# Altium PCB Core.PcbDoc (part 4 of 5)
Units mil, origin at the board's own origin, x right, y up, seen from the top; angles counter-clockwise.
Board outline 1181.1 x 1574.8 mil, 6 copper layers (Top Layer, GND2, SIG3, PWR4, GND5, Bottom Layer), stack 29.356 mil thick; 139 components, 179 nets, 1165 pads, 477 vias.
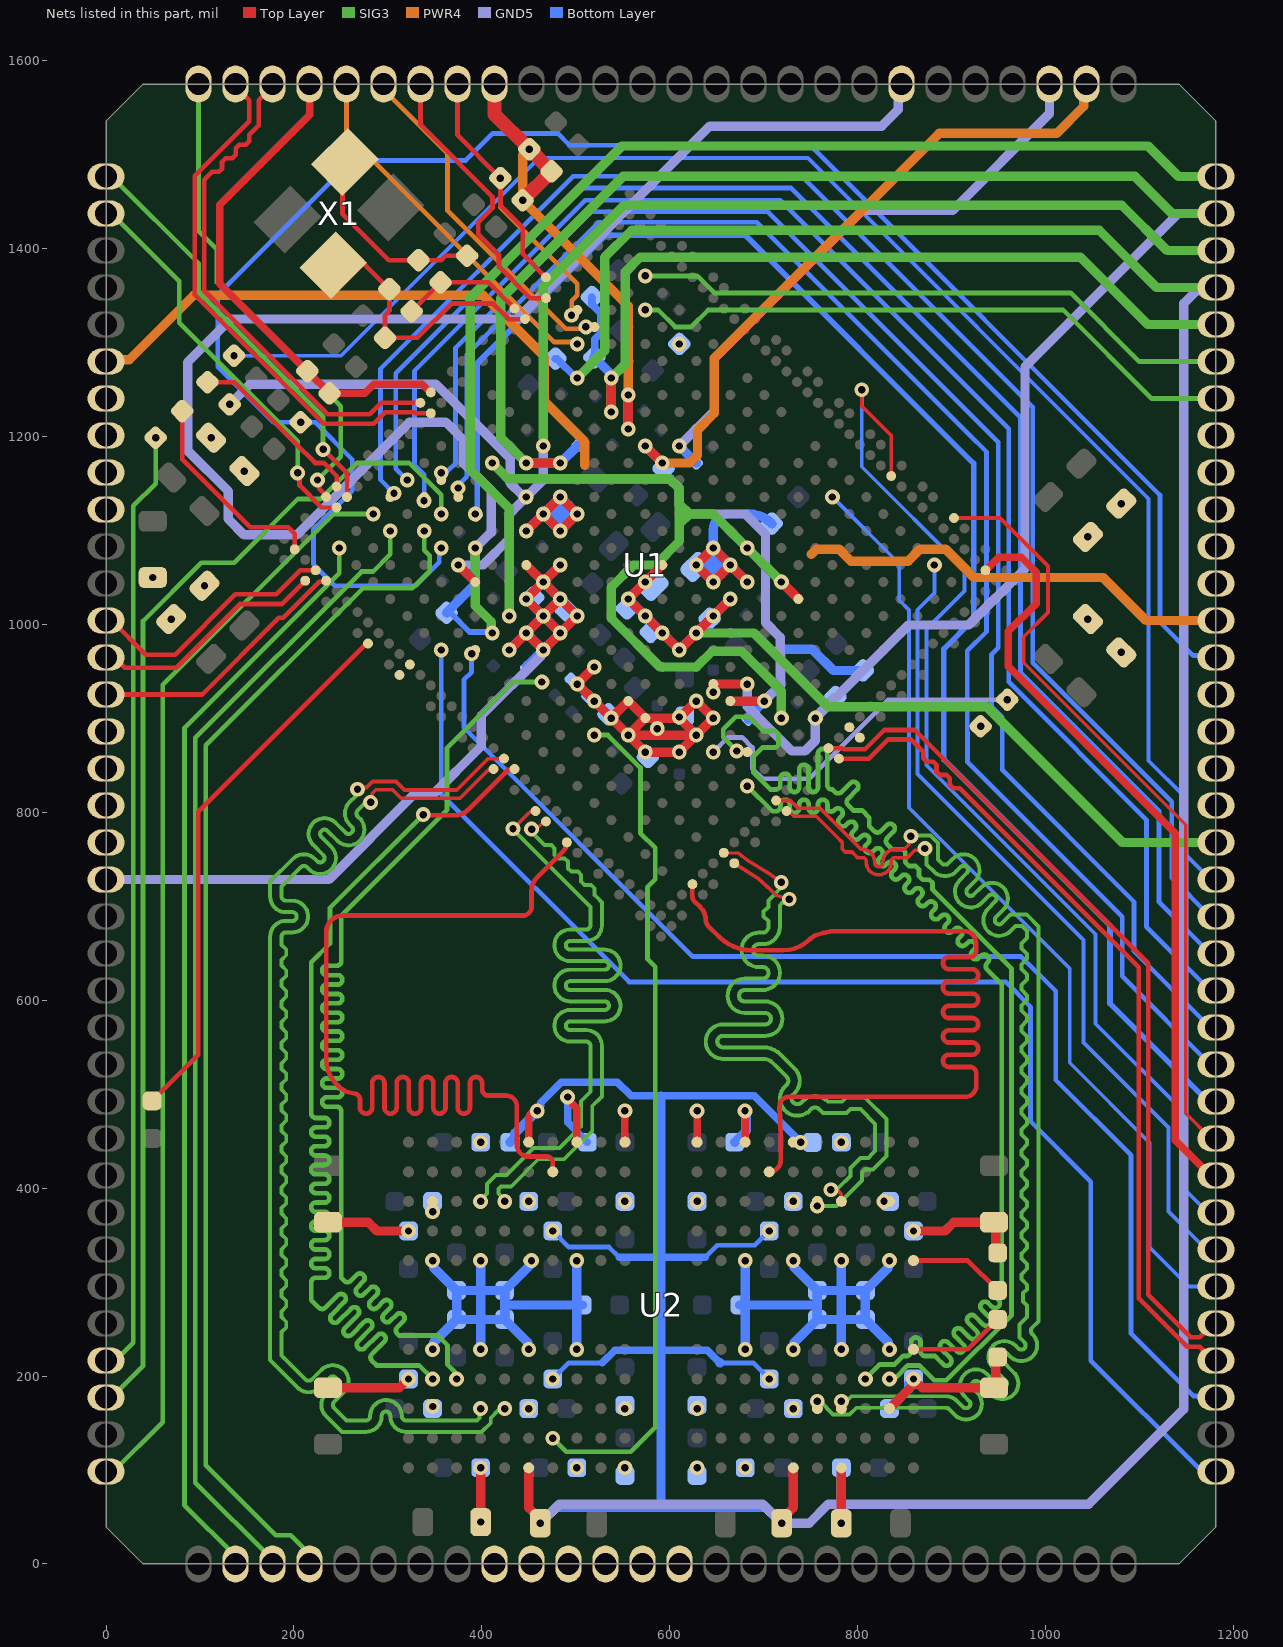
[diagram p8: the nets of this part, all layers, seen from the top]

## Via types
v1: diameter 15.75, hole 7.87, Top Layer to Bottom Layer, tented both sides, 475 vias
v2: diameter 15.75, hole 11.81, Top Layer to Bottom Layer, tented both sides, 2 vias

## Nets (pads, with @x,y where several pads share a name; then routed paths per layer and width w, separated by ;. In a path a pad name is that pad's centre, name@x,y a point inside that pad or via, vN(x,y) a via of type N, cw(c..) or ccw(c..) an arc to the next point about the centre after c; other vN are vias at no path point) (continued)
LPDDR4_DQ14_A: U1.1F1 U2.C9 | length 1318.4
  SIG3 w5: v1(682.42,827.75) 709.2,800.97 712.63,800.97 ccw(c712.63,805.97) 717.63,805.97 717.63,808.32 cw(c722.63,808.32) 727.63,808.32 727.63,804.33 ccw(c732.63,804.33) 737.63,804.33 737.63,808.32 cw(c742.63,808.32) 747.63,808.32 747.63,804.33 ccw(c752.63,804.33) 757.63,804.33 757.63,808.32 cw(c762.63,808.32) 767.63,808.32 767.63,802.42 767.93,802.13 ccw(c771.46,805.66) 775,802.12 775.45,802.57 cw(c778.98,799.04) 782.52,802.57 cw(c778.98,799.04) 782.52,795.5 780.45,793.43 ccw(c783.98,789.9) 780.45,786.36 ccw(c783.98,789.9) 787.52,786.36 789.59,788.43 cw(c793.12,784.9) 796.66,788.43 cw(c793.12,784.9) 796.66,781.36 794.59,779.29 ccw(c798.13,775.76) 794.59,772.22 ccw(c798.13,775.76) 801.66,772.22 803.73,774.29 cw(c807.27,770.75) 810.8,774.29 cw(c807.27,770.75) 810.8,767.22 808.73,765.15 ccw(c812.27,761.62) 808.73,758.08 ccw(c812.27,761.62) 815.8,758.08 817.87,760.15 cw(c821.41,756.61) 824.94,760.15 cw(c821.41,756.61) 824.94,753.08 822.88,751.01 ccw(c826.41,747.47) 822.88,743.94 ccw(c826.41,747.47) 829.95,743.94 832.01,746 cw(c835.55,742.47) 839.09,746 cw(c835.55,742.47) 839.08,738.93 837.02,736.87 ccw(c840.55,733.33) 837.02,729.8 ccw(c840.55,733.33) 844.09,729.8 846.16,731.86 cw(c849.69,728.33) 853.23,731.86 cw(c849.69,728.33) 853.23,724.79 851.16,722.72 ccw(c854.7,719.19) 851.16,715.65 ccw(c854.7,719.19) 858.23,715.65 860.3,717.72 cw(c863.83,714.19) 867.37,717.72 cw(c863.83,714.19) 867.37,710.65 865.3,708.58 ccw(c868.84,705.05) 865.3,701.51 ccw(c868.84,705.05) 872.37,701.51 874.44,703.58 cw(c877.98,700.04) 881.51,703.58 cw(c877.98,700.04) 881.51,696.51 879.44,694.44 ccw(c882.98,690.9) 879.44,687.37 ccw(c882.98,690.9) 886.52,687.37 888.58,689.44 cw(c892.12,685.9) 895.65,689.44 cw(c892.12,685.9) 895.65,682.37 893.59,680.3 ccw(c897.12,676.76) 893.59,673.23 ccw(c897.12,676.76) 900.66,673.23 902.72,675.29 cw(c906.26,671.76) 909.8,675.29 cw(c906.26,671.76) 909.8,668.22 907.73,666.16 ccw(c911.26,662.62) 907.73,659.08 ccw(c911.26,662.62) 914.8,659.08 916.87,661.15 cw(c920.4,657.62) 923.94,661.15 cw(c920.4,657.62) 923.94,654.08 921.87,652.01 ccw(c925.41,648.48) 921.87,644.94 ccw(c925.41,648.48) 928.94,644.94 931.01,647.01 cw(c934.54,643.47) 938.08,647.01 cw(c934.54,643.47) 938.08,639.94 937.63,639.49 ccw(c941.17,635.95) 937.63,632.42 953.19,616.86 953.19,294.38 948.26,289.44 ccw(c951.8,285.91) 948.26,282.37 949.66,280.97 cw(c946.12,277.44) 949.66,273.9 cw(c946.12,277.44) 942.59,273.9 938.82,277.67 ccw(c935.28,274.14) 931.75,277.67 ccw(c935.28,274.14) 931.75,270.6 940.54,261.81 cw(c937,258.28) 940.54,254.74 cw(c937,258.28) 933.47,254.74 924.68,263.53 ccw(c921.14,260) 917.6,263.53 ccw(c921.14,260) 917.6,256.46 926.4,247.67 cw(c922.86,244.13) 926.4,240.6 cw(c922.86,244.13) 919.32,240.6 910.53,249.39 ccw(c907,245.85) 903.46,249.39 ccw(c907,245.85) 903.46,242.32 912.25,233.53 cw(c908.72,229.99) 912.25,226.46 cw(c908.72,229.99) 905.18,226.46 896,235.64 ccw(c892.46,232.1) 888.93,235.64 ccw(c892.46,232.1) 888.93,228.57 898.11,219.38 cw(c894.58,215.85) 898.11,212.31 cw(c894.58,215.85) 891.04,212.31 884.18,219.17 882.02,221.33 871.68,221.33 cw(c871.68,226.33) 866.68,226.33 866.68,235.89 ccw(c861.68,235.89) 856.68,235.89 856.68,226.33 cw(c851.68,226.33) 851.68,221.33 848.39,221.33 839.37,212.31 823.53,212.31 v1(808.07,196.85)
LPDDR4_DQ14_B: U1.1C10 U2.Y9 | length 1316.4
  SIG3 w5: v1(373.03,196.85) 370.97,198.91 370.97,204.58 363.34,212.21 363.34,232.82 353.02,243.14 319.83,243.14 311.56,243.14 309.93,244.78 cw(c313.46,248.32) 309.93,251.85 316.23,258.16 ccw(c312.7,261.7) 316.23,265.23 ccw(c312.7,261.7) 309.16,265.23 302.61,258.68 cw(c299.07,262.21) 295.54,258.68 cw(c299.07,262.21) 295.54,265.75 302.09,272.3 ccw(c298.56,275.84) 302.09,279.37 ccw(c298.56,275.84) 295.02,279.37 288.47,272.82 cw(c284.93,276.35) 281.4,272.82 cw(c284.93,276.35) 281.4,279.89 287.95,286.44 ccw(c284.41,289.98) 287.95,293.51 ccw(c284.41,289.98) 280.88,293.51 274.33,286.96 cw(c270.79,290.5) 267.25,286.96 cw(c270.79,290.5) 267.25,294.03 273.81,300.59 ccw(c270.27,304.12) 273.81,307.66 ccw(c270.27,304.12) 266.74,307.66 260.43,301.35 cw(c256.89,304.88) 253.36,301.35 250.38,304.32 250.38,308.98 250.38,481.59 ccw(c245.38,481.59) 245.38,486.59 234.93,486.59 cw(c234.93,491.59) 234.93,496.59 246.49,496.59 ccw(c246.49,501.59) 246.49,506.59 234.93,506.59 cw(c234.93,511.59) 234.93,516.59 246.49,516.59 ccw(c246.49,521.59) 246.49,526.59 234.93,526.59 cw(c234.93,531.59) 234.93,536.59 246.49,536.59 ccw(c246.49,541.59) 246.49,546.59 234.93,546.59 cw(c234.93,551.59) 234.93,556.59 246.49,556.59 ccw(c246.49,561.59) 246.49,566.59 234.93,566.59 cw(c234.93,571.59) 234.93,576.59 246.49,576.59 ccw(c246.49,581.59) 246.49,586.59 234.93,586.59 cw(c234.93,591.59) 234.93,596.59 246.49,596.59 ccw(c246.49,601.59) 246.49,606.59 234.93,606.59 cw(c234.93,611.59) 234.93,616.59 246.49,616.59 ccw(c246.49,621.59) 246.49,626.59 234.93,626.59 cw(c234.93,631.59) 234.93,636.59 245.38,636.59 ccw(c245.38,641.59) 250.38,641.59 250.38,689.89 362.77,802.28 362.77,868.23 433.1,938.55 v1(463.78,938.55)
LPDDR4_DQ15_A: U1.1G2 U2.B9 | length 1320.1
  Top Layer w5: v1(671.06,865.13) 671.65,864.54 681.83,864.54 U1.1G2@682.42,863.94
  SIG3 w5: v1(671.06,865.13) 656.63,879.56 656.63,888.02 670,901.39 684.14,901.39 699.12,886.41 712.13,886.41 715.66,882.88 715.66,871.65 712.73,868.73 698.14,868.73 688.99,859.57 688.99,842.14 707.08,824.05 712.53,824.05 ccw(c712.53,829.05) 717.53,829.05 717.53,836.04 cw(c722.53,836.04) 727.53,836.04 727.53,826.34 ccw(c732.53,826.34) 737.53,826.34 737.53,845.46 cw(c742.53,845.46) 747.53,845.46 747.53,826.34 ccw(c752.53,826.34) 757.53,826.34 757.53,862.26 cw(c762.53,862.26) 767.53,862.26 767.53,829.05 ccw(c772.53,829.05) 768.7,825.83 ccw(c772.53,829.05) 770.77,824.37 772.53,824.05 773.06,824.05 775.6,821.51 ccw(c779.14,825.05) 782.67,821.51 791.97,830.81 cw(c795.5,827.27) 799.04,830.81 cw(c795.5,827.27) 799.04,823.73 789.74,814.44 ccw(c793.28,810.9) 789.74,807.37 791.05,806.06 792.44,804.67 795.29,801.82 804.49,801.82 812.27,794.03 812.27,784.84 817.32,779.79 ccw(c820.85,783.33) 824.39,779.79 830.83,786.23 cw(c834.36,782.69) 837.9,786.23 cw(c834.36,782.69) 837.9,779.16 831.46,772.72 ccw(c835,769.18) 831.46,765.65 836.59,760.52 847.61,760.52 850.54,757.59 850.54,746.57 854.43,742.68 861.5,742.68 865.03,739.15 865.03,732.08 868.92,728.19 875.99,728.19 879.53,724.65 879.53,717.58 892.55,704.56 963.54,633.57 963.54,264.63 894.25,195.34 881.14,195.34 865.22,211.26 853.29,211.26 840.94,198.91 835.72,198.91 v1(833.66,196.85)
LPDDR4_DQ15_B: U1.B16 U2.AA9 | length 1318.1
  Top Layer w5: v1(337.45,797.43) 338.29,796.6 371.21,796.6 ccw(c371.21,815.73) 384.74,802.2 427.31,844.77 433.58,844.77 U1.B16@434.65,845.85
  SIG3 w5: v1(337.45,797.43) 238.32,698.29 238.32,660.24 218.31,640.24 218.31,482.09 218.31,479.59 ccw(c223.31,479.59) 223.31,474.59 232.66,474.59 cw(c232.66,469.59) 232.66,464.59 223.23,464.59 ccw(c223.23,459.59) 223.23,454.59 232.66,454.59 cw(c232.66,449.59) 232.66,444.59 223.23,444.59 ccw(c223.23,439.59) 223.23,434.59 232.66,434.59 cw(c232.66,429.59) 232.66,424.59 223.23,424.59 ccw(c223.23,419.59) 223.23,414.59 232.66,414.59 cw(c232.66,409.59) 232.66,404.59 223.23,404.59 ccw(c223.23,399.59) 223.23,394.59 232.66,394.59 cw(c232.66,389.59) 232.66,384.59 223.23,384.59 ccw(c223.23,379.59) 223.23,374.59 232.66,374.59 cw(c232.66,369.59) 232.66,364.59 223.23,364.59 ccw(c223.23,359.59) 223.23,354.59 232.66,354.59 cw(c232.66,349.59) 232.66,344.59 223.23,344.59 ccw(c223.23,339.59) 223.23,334.59 232.66,334.59 cw(c232.66,329.59) 232.66,324.59 223.23,324.59 ccw(c223.23,319.59) 223.23,314.59 232.66,314.59 cw(c232.66,309.59) 232.66,304.59 223.31,304.59 ccw(c223.31,299.59) 218.31,299.59 218.31,290.75 218.31,280.84 226.37,272.78 ccw(c229.91,276.31) 233.44,272.78 246.59,285.93 cw(c250.12,282.39) 253.66,285.93 cw(c250.12,282.39) 253.66,278.86 240,265.19 ccw(c243.53,261.66) 240,258.12 ccw(c243.53,261.66) 247.07,258.12 260.73,271.78 cw(c264.27,268.25) 267.8,271.78 cw(c264.27,268.25) 267.8,264.71 254.14,251.05 ccw(c257.68,247.52) 254.14,243.98 ccw(c257.68,247.52) 261.21,243.98 274.87,257.64 cw(c278.41,254.11) 281.94,257.64 cw(c278.41,254.11) 281.94,250.57 268.28,236.91 ccw(c271.82,233.37) 268.28,229.84 ccw(c271.82,233.37) 275.35,229.84 289.02,243.5 cw(c292.55,239.96) 296.09,243.5 cw(c292.55,239.96) 296.09,236.43 282.94,223.28 ccw(c286.48,219.75) 282.94,216.21 287.89,211.26 333.03,211.26 v1(347.44,196.85)
LPDDR4_DQS0_A_N: U1.H1 U2.E3 | length 783.7
  Top Layer w3.8: U1.H1@668.5,745.63 692.84,730.24 693.79,729.64 704.4,719.93 712.88,711.45 v1(727.07,707.38) ; v1(756.89,380.91) U2.E3@756.89,381.67
  SIG3 w4.2: v1(727.07,707.38) 723.94,707.38 719.93,703.37 719.44,703.37 716.98,700.91 716.98,677.83 cw(c698.68,677.83) 698.68,659.53 694.52,659.53 ccw(c694.52,653.43) 688.42,653.43 ccw(c694.52,653.43) 694.52,647.33 698.84,647.33 cw(c698.84,629.03) 717.14,629.03 cw(c698.84,629.03) 698.84,610.73 679.68,610.73 ccw(c679.68,604.63) 673.58,604.63 ccw(c679.68,604.63) 679.68,598.53 701.39,598.53 cw(c701.39,580.23) 719.69,580.23 cw(c701.39,580.23) 701.39,561.93 656.45,561.93 ccw(c656.45,555.83) 650.35,555.83 ccw(c656.45,555.83) 656.45,549.73 699.04,549.73 cw(c699.04,522.81) 718.08,541.85 718.15,541.78 734.63,525.3 734.63,525.01 cw(c719.9,514.14) 732.84,501.2 731.27,499.63 ccw(c735.58,495.31) 731.25,491.02 ; 731.28,490.98 ccw(c735.58,495.31) 739.89,491 741.47,492.58 cw(c754.41,479.64) 765.27,494.36 765.56,494.36 768.09,491.84 782.96,491.84 787.24,496.12 807.8,496.12 830.59,473.33 830.59,434.18 816.32,419.92 807.84,419.92 804.3,416.38 804.3,407.89 777.32,380.91 v1(756.89,380.91)
LPDDR4_DQS0_A_P: U1.H2 U2.D3 | length 787.7
  Top Layer w3.8: U1.H2@657.36,756.76 672.94,756.34 676.2,753.81 682.81,748.68 705.84,734.48 v1(718.59,725.26) ; v1(771.3,398.13) 772.82,396.6 779.51,396.6 782.48,393.63 U2.D3@782.48,385.83
  SIG3 w4.2: v1(718.59,725.26) 716.38,723.05 716.38,717.57 704.78,705.96 704.78,699.09 699.78,694.09 699.78,689.09 704.78,684.09 704.78,677.83 cw(c698.68,677.83) 698.68,671.73 694.52,671.73 ccw(c694.52,653.43) 676.22,653.43 ccw(c694.52,653.43) 694.52,635.13 698.84,635.13 cw(c698.84,629.03) 704.94,629.03 cw(c698.84,629.03) 698.84,622.93 679.68,622.93 ccw(c679.68,604.63) 661.38,604.63 ccw(c679.68,604.63) 679.68,586.33 701.39,586.33 cw(c701.39,580.23) 707.49,580.23 cw(c701.39,580.23) 701.39,574.13 656.45,574.13 ccw(c656.45,555.83) 638.15,555.83 ccw(c656.45,555.83) 656.45,537.53 699.04,537.53 cw(c699.04,522.81) 709.46,533.21 713.53,529.14 724.19,518.49 cw(c719.9,514.14) 724.22,509.83 722.64,508.25 ccw(c735.58,495.31) 722.64,482.37 ccw(c735.58,495.31) 746.44,480.59 746.73,480.59 750.1,483.95 cw(c754.41,479.64) 758.74,483.93 763.04,479.64 788.01,479.64 792.3,483.92 802.74,483.92 818.39,468.27 818.39,439.24 815.28,436.13 811.27,432.12 802.78,432.12 792.1,421.43 792.1,412.95 779.5,400.34 773.5,400.34 v1(771.3,398.13)
LPDDR4_DQS0_B_N: U1.A12 U2.V3 | length 787.4
  Top Layer w3.8: v1(452.83,782.02) 455.11,784.31 460.35,784.31 466.21,790.17 U1.A12@468.06,790.17
  SIG3 w4.2: v1(424.21,385.83) 424.21,387.37 417.52,394.06 417.52,399.16 420.23,401.88 431.19,401.88 459.94,430.63 487.44,430.63 517.38,460.56 517.38,487.12 527.69,497.43 527.69,543.11 527.69,551.31 ccw(c510.89,551.31) 510.89,568.11 493.85,568.11 cw(c493.85,572.71) 493.85,577.31 530.52,577.31 ccw(c530.52,594.11) 530.52,610.91 493.85,610.91 cw(c493.85,615.51) 493.85,620.11 530.52,620.11 ccw(c530.52,636.91) 530.52,653.71 493.85,653.71 cw(c493.85,658.31) 493.85,662.91 510.89,662.91 ccw(c510.89,679.71) 527.69,679.71 527.69,702.06 527.69,704.04 521.63,710.1 519.79,711.94 519.79,719.01 516.25,722.55 509.18,722.55 505.64,726.08 505.64,733.15 502.11,736.69 495.04,736.69 491.5,740.23 491.5,747.3 487.97,750.83 480.89,750.83 477.36,754.37 477.36,761.44 473.82,764.98 466.75,764.98 456.94,774.79 452.83,778.9 v1(452.83,782.02)
LPDDR4_DQS0_B_P: U1.A13 U2.W3 | length 786.9
  Top Layer w3.8: v1(433.05,782.43) 448.39,797.77 cw(c456.92,789.24) U1.A13@456.92,801.3
  SIG3 w4.2: v1(398.62,385.83) 398.62,387.37 405.32,394.06 405.32,404.21 415.18,414.08 426.14,414.08 454.89,442.83 482.39,442.83 505.18,465.61 505.18,492.17 515.49,502.48 515.49,543.11 515.49,551.31 ccw(c510.89,551.31) 510.89,555.91 493.85,555.91 cw(c493.85,572.71) 493.85,589.51 530.52,589.51 ccw(c530.52,594.11) 530.52,598.71 493.85,598.71 cw(c493.85,615.51) 493.85,632.31 530.52,632.31 ccw(c530.52,636.91) 530.52,641.51 493.85,641.51 cw(c493.85,658.31) 493.85,675.11 510.89,675.11 ccw(c510.89,679.71) 515.49,679.71 515.49,698.98 512.41,702.06 433.05,781.42 v1(433.05,782.43)
LPDDR4_DQS1_A_N: U1.N2 U2.E10 | length 1311.9
  Top Layer w3.8: U1.N2@713.04,812.44 728.2,812.44 736.27,804.36 759.47,804.36 803.31,760.51 804.64,760.51 cw(c804.64,747.31) 817.84,747.31 817.84,746.5 ccw(c822.24,746.5) 826.64,746.5 826.64,747.31 cw(c839.84,747.31) 839.84,760.51 849.26,760.51 854.13,765.39 854.13,772 v1(856.42,774.29)
  SIG3 w4.2: v1(756.89,173.23) 759.73,173.23 773.73,159.22 791.34,159.22 798.36,166.24 893.61,166.24 cw(c893.61,161.64) 896.86,164.89 903.27,158.49 ccw(c915.15,170.36) 927.03,158.49 ccw(c915.15,170.36) 927.03,182.24 922.4,186.88 cw(c925.65,190.13) 922.4,193.38 cw(c925.65,190.13) 928.9,193.38 942.07,180.21 ccw(c953.95,192.09) 965.83,180.21 ccw(c953.95,192.09) 965.83,203.97 952.66,217.14 cw(c955.91,220.39) 952.66,223.65 cw(c955.91,220.39) 959.17,223.65 962.1,220.71 ccw(c973.98,232.59) 985.86,220.71 ccw(c973.98,232.59) 985.86,244.47 985.49,244.83 cw(c988.76,248.07) 985.51,251.33 992.14,257.96 992.14,678.5 979.74,690.9 962.58,690.9 953.62,681.95 ; v1(856.42,774.29) 857.51,775.38 877.2,775.38 885.41,767.18 885.41,749.46 889.49,745.38 ccw(c892.74,748.63) 896,745.38 900.74,750.12 cw(c912.62,738.24) 924.5,750.12 cw(c912.62,738.24) 926.28,728.47 926.28,728.15 916.83,718.69 ccw(c920.08,715.44) 916.81,712.21 ; 916.85,712.17 ccw(c920.08,715.44) 923.34,712.19 ; 923.36,712.21 931,719.85 cw(c942.88,707.98) 954.76,719.85 cw(c942.88,707.98) 956.55,698.2 956.55,697.88 947.1,688.43 ccw(c950.35,685.18) 947.08,681.94 ccw(c950.35,685.18) 953.6,681.92
LPDDR4_DQS1_A_P: U1.N1 U2.D10 | length 1311.8
  Top Layer w3.8: U1.N1@724.18,801.3 726.03,801.3 731.77,795.56 755.82,795.56 777.6,773.78 783.19,768.19 783.19,761.12 786.72,757.59 793.79,757.59 797.34,754.04 799.66,751.71 804.64,751.71 cw(c804.64,747.31) 809.04,747.31 809.04,746.5 ccw(c822.24,746.5) 835.44,746.5 835.44,747.31 cw(c839.84,747.31) 839.84,751.71 852.9,751.71 860.63,759.44 869.47,759.44 v1(871.4,761.38)
  SIG3 w4.2: v1(782.48,173.23) 784.69,175.44 790.3,175.44 793.3,178.44 893.61,178.44 cw(c893.61,161.64) 905.49,173.52 911.9,167.11 ccw(c915.15,170.36) 918.4,167.11 ccw(c915.15,170.36) 918.4,173.62 913.77,178.25 cw(c925.65,190.13) 913.77,202.01 cw(c925.65,190.13) 937.53,202.01 950.7,188.84 ccw(c953.95,192.09) 957.2,188.84 ccw(c953.95,192.09) 957.2,195.35 944.03,208.51 cw(c955.91,220.39) 944.03,232.27 cw(c955.91,220.39) 967.79,232.27 970.73,229.34 ccw(c973.98,232.59) 977.23,229.34 ccw(c973.98,232.59) 977.23,235.84 cw(c988.75,248.07) 976.53,236.54 971.96,241.12 971.96,247.66 cw(c988.75,248.07) 971.95,248.07 cw(c988.47,248.07) 971.96,248.48 971.96,255.03 979.94,263.02 979.94,275.12 975.98,279.09 975.98,288.16 979.94,292.12 979.94,297.12 973.94,303.12 973.94,308.12 979.94,314.12 979.94,319.12 973.94,325.12 973.94,330.12 979.94,336.12 979.94,341.12 973.94,347.12 973.94,352.12 979.94,358.12 979.94,363.12 973.94,369.12 973.94,374.12 979.94,380.12 979.94,385.12 973.94,391.12 973.94,396.12 979.94,402.12 979.94,407.12 973.94,413.12 973.94,418.12 979.94,424.12 979.94,429.12 973.94,435.12 973.94,440.12 979.94,446.12 979.94,451.12 973.94,457.12 973.94,462.12 979.94,468.12 979.94,473.12 973.94,479.12 973.94,484.12 979.94,490.12 979.94,495.12 973.94,501.12 973.94,506.12 979.94,512.12 979.94,517.12 973.94,523.12 973.94,528.12 979.94,534.12 979.94,539.12 973.94,545.12 973.94,550.12 979.94,556.12 979.94,561.12 973.94,567.12 973.94,572.12 979.94,578.12 979.94,583.12 973.94,589.12 973.94,594.12 979.94,600.12 979.94,605.12 973.94,611.12 973.94,616.12 979.94,622.12 979.94,627.12 973.94,633.12 973.94,638.12 979.94,644.12 979.94,649.12 973.94,655.12 973.94,660.12 979.94,666.12 979.94,668.22 979.94,673.45 974.69,678.7 967.63,678.7 960.44,671.51 960.12,671.51 cw(c950.35,685.18) 938.47,697.06 946.11,704.7 ; v1(871.4,761.38) 873.21,759.57 873.21,744.41 880.86,736.75 ccw(c892.74,748.63) 904.62,736.75 909.37,741.49 cw(c912.62,738.24) 915.87,741.49 cw(c912.62,738.24) 915.87,734.99 ; 915.85,734.97 908.2,727.32 ccw(c920.08,715.44) 929.85,701.78 930.18,701.78 939.63,711.23 cw(c942.88,707.98) 946.13,711.23 cw(c942.88,707.98) 946.13,704.72
LPDDR4_DQS1_B_N: U1.B17 U2.V10 | length 1319.5
  Top Layer w3.8: v1(267.54,824.34) 269.46,826.26 277.22,826.26 283.6,832.63 308.53,832.63 317.59,823.57 373.07,823.57 406.48,856.98 U1.B17@423.52,856.98
  SIG3 w4.2: v1(267.54,824.34) 265.33,822.13 265.33,816.77 259.17,810.61 ccw(c271.05,798.73) 259.2,786.83 261.35,784.68 cw(c258.12,781.4) 254.89,778.13 244.29,788.73 ccw(c232.41,776.85) 220.53,788.73 ccw(c232.41,776.85) 220.53,764.97 231.11,754.39 cw(c227.86,751.14) 231.11,747.88 cw(c227.86,751.14) 224.61,747.88 222.41,750.09 ccw(c210.53,738.21) 198.65,750.09 174.58,726.02 174.58,718.54 174.58,710.33 ccw(c191.38,710.33) 191.38,693.53 198.23,693.53 cw(c198.23,688.93) 198.23,684.33 191.38,684.33 ccw(c191.38,667.53) 174.58,667.53 174.58,609.09 174.58,216.86 203.77,187.67 ccw(c215.67,199.53) 227.55,187.65 237.98,198.07 cw(c241.21,194.8) 244.46,198.05 cw(c241.21,194.8) 244.46,191.55 234.06,181.14 ccw(c245.94,169.26) 234.08,157.36 250.93,140.51 261.04,140.51 276.49,140.51 ccw(c276.49,157.31) 293.29,157.31 293.29,157.54 cw(c297.89,157.54) 302.49,157.54 302.49,157.31 ccw(c319.29,157.31) 319.29,140.51 399.76,140.51 409.36,150.11 409.36,155.35 417.16,163.14 422,163.14 v1(424.21,165.35)
LPDDR4_DQS1_B_P: U1.A17 U2.W10 | length 1320.1
  Top Layer w3.8: v1(281.53,810.35) 283.44,812.27 283.44,820.03 287.24,823.83 304.88,823.83 313.95,814.77 376.72,814.77 406.48,844.54 411.08,844.54 U1.A17@412.38,845.85
  SIG3 w4.2: 229.31,206.66 218.93,196.27 cw(c215.67,199.53) 212.43,196.26 186.78,221.91 186.78,239.34 186.78,246.75 191.78,251.75 191.78,257.75 186.78,262.75 186.78,268.75 191.78,273.75 191.78,279.75 186.78,284.75 186.78,290.75 191.78,295.75 191.78,301.75 186.78,306.75 186.78,312.75 191.78,317.75 191.78,323.75 186.78,328.75 186.78,334.75 191.78,339.75 191.78,345.75 186.78,350.75 186.78,356.75 191.78,361.75 191.78,367.75 186.78,372.75 186.78,378.75 191.78,383.75 191.78,389.75 186.78,394.75 186.78,400.75 191.78,405.75 191.78,411.75 186.78,416.75 186.78,422.75 191.78,427.75 191.78,433.75 186.78,438.75 186.78,444.75 191.78,449.75 191.78,455.75 186.78,460.75 186.78,466.75 191.78,471.75 191.78,477.75 186.78,482.75 186.78,488.75 191.78,493.75 191.78,499.75 186.78,504.75 186.78,510.75 191.78,515.75 191.78,521.75 186.78,526.75 186.78,532.75 191.78,537.75 191.78,543.75 186.78,548.75 186.78,554.75 191.78,559.75 191.78,565.75 186.78,570.75 186.78,576.75 191.78,581.75 191.78,587.75 186.78,592.75 186.78,598.75 191.78,603.75 191.78,609.75 186.78,614.75 186.78,620.75 191.78,625.75 191.78,631.75 186.78,636.75 186.78,642.75 191.78,647.75 191.78,653.75 186.78,658.75 186.78,660.85 186.78,667.53 cw(c191.38,667.53) 191.38,672.13 198.23,672.13 ccw(c198.23,688.93) 198.23,705.73 191.38,705.73 cw(c191.38,710.33) 186.78,710.33 186.78,720.97 207.27,741.46 cw(c210.53,738.21) 213.78,741.46 215.98,739.26 ccw(c227.86,751.14) 239.74,739.26 ccw(c227.86,751.14) 239.74,763.02 229.15,773.6 cw(c232.41,776.85) 229.15,780.11 cw(c232.41,776.85) 235.66,780.11 246.22,769.55 ; 229.33,206.68 cw(c241.21,194.8) 253.09,206.68 cw(c241.21,194.8) 253.09,182.92 242.68,172.52 ccw(c245.94,169.26) 242.67,166.02 255.99,152.71 276.49,152.71 ccw(c276.49,157.31) 281.09,157.31 281.09,157.54 cw(c297.89,157.54) 314.69,157.54 314.69,157.31 ccw(c319.29,157.31) 319.29,152.71 394.7,152.71 397.16,155.17 397.16,163.9 v1(398.62,165.35) ; 246.23,769.54 ccw(c258.12,781.4) 267.9,767.73 268.22,767.73 271.79,771.31 271.79,771.63 ccw(c258.12,781.4) 271.79,791.17 271.79,791.49 267.79,795.49 cw(c271.05,798.73) 267.8,801.99 273.96,808.14 279.32,808.14 v1(281.53,810.35)
LPDDR4_ODT0_CA_A: U1.E2 U2.G2 | length 1121.2
  Top Layer w4.6: 623.96,710.21 U1.E2@623.96,723.35
  Top Layer w5: 623.96,710.21 ccw(c630.86,710.21) 625.98,705.33 632.66,698.65 632.71,698.6 cw(c619.86,685.75) 638.03,685.75 ccw(c647.84,685.75) 640.93,678.79 652.04,667.68 ccw(c687.54,703.18) 687.54,652.97 720.88,652.97 ccw(c720.88,691.73) 748.26,664.31 cw(c763.24,649.37) 755.16,668.91 cw(c777.86,614.06) 777.86,673.43 913.2,673.43 cw(c913.2,660.7) 923.7,667.88 cw(c913.2,660.7) 925.03,665.38 925.92,660.7 925.92,652.38 cw(c919.42,652.38) 919.42,645.88 897.05,645.88 ccw(c897.05,639.38) 897.05,632.88 921.54,632.88 cw(c921.54,626.38) 921.54,619.88 897.05,619.88 ccw(c897.05,613.38) 897.05,606.88 921.54,606.88 cw(c921.54,600.38) 921.54,593.88 897.05,593.88 ccw(c897.05,587.38) 897.05,580.88 921.54,580.88 cw(c921.54,574.38) 921.54,567.88 897.05,567.88 ccw(c897.05,561.38) 897.05,554.88 921.54,554.88 cw(c921.54,548.38) 921.54,541.88 897.05,541.88 ccw(c897.05,535.38) 897.05,528.88 919.42,528.88 cw(c919.42,522.38) 925.92,522.38 925.92,507.39 925.81,506.34 924.4,502.8 cw(c914.23,508.9) 922.4,500.3 cw(c914.23,508.9) 914.18,497.04 914.1,497.04 728.17,497.04 ccw(c726.83,486.99) 716.71,486.6 717.9,455.9 717.9,429.52 cw(c705.71,429.52) U2.G2@705.71,417.32
LPDDR4_ODT0_CA_B: U1.A10 U2.T2 | length 1113.5
  Top Layer w5: U2.T2@475.39,417.32 475.39,427.23 ccw(c469.14,427.23) 469.14,433.48 449.8,433.48 cw(c449.8,446.13) 437.15,446.13 437.15,487.15 ccw(c425.91,487.15) 425.91,498.39 422.23,498.39 406.73,498.39 cw(c406.73,504.89) 400.23,504.89 400.23,511.73 ccw(c393.73,511.73) 387.23,511.73 387.23,485.69 cw(c380.73,485.69) 374.23,485.69 374.23,511.73 ccw(c367.73,511.73) 361.23,511.73 361.23,485.69 cw(c354.73,485.69) 348.23,485.69 348.23,511.73 ccw(c341.73,511.73) 335.23,511.73 335.23,485.69 cw(c328.73,485.69) 322.23,485.69 322.23,511.73 ccw(c315.73,511.73) 309.23,511.73 309.23,485.69 cw(c302.73,485.69) 296.23,485.69 296.23,511.73 ccw(c289.73,511.73) 283.23,511.73 283.23,485.69 cw(c276.73,485.69) 270.23,485.69 270.23,494.01 ccw(c263.73,494.01) 265.23,500.33 255.86,502.55 cw(c273.41,537.49) 253.36,503.92 cw(c273.41,537.49) 234.31,537.49 234.31,672.26 cw(c252,672.26) 252,689.95 443.19,689.95 ccw(c443.19,699.6) 452.84,699.6 452.84,716.42 cw(c472.97,716.42) 458.74,730.65 486.34,758.26 ccw(c476.7,767.9) U1.A10@490.33,767.9